# Altium PCB RK_NVR_DEMO1_RK3588_LP4XD200P232SD8_V21_20211228_final_lint.PcbDoc (part 18 of 29)
Units mm, origin at the board's own origin, x right, y up, seen from the top; angles counter-clockwise.
Board outline 170.08 x 169.98 mm, 8 copper layers (TOP, L2-GND1, L3-POWER1, L4-S1, L5-GND2, L6-S2, L7-GND3, BOTTOM), stack 2.118 mm thick; 1650 components, 1119 nets, 6165 pads, 15417 vias.
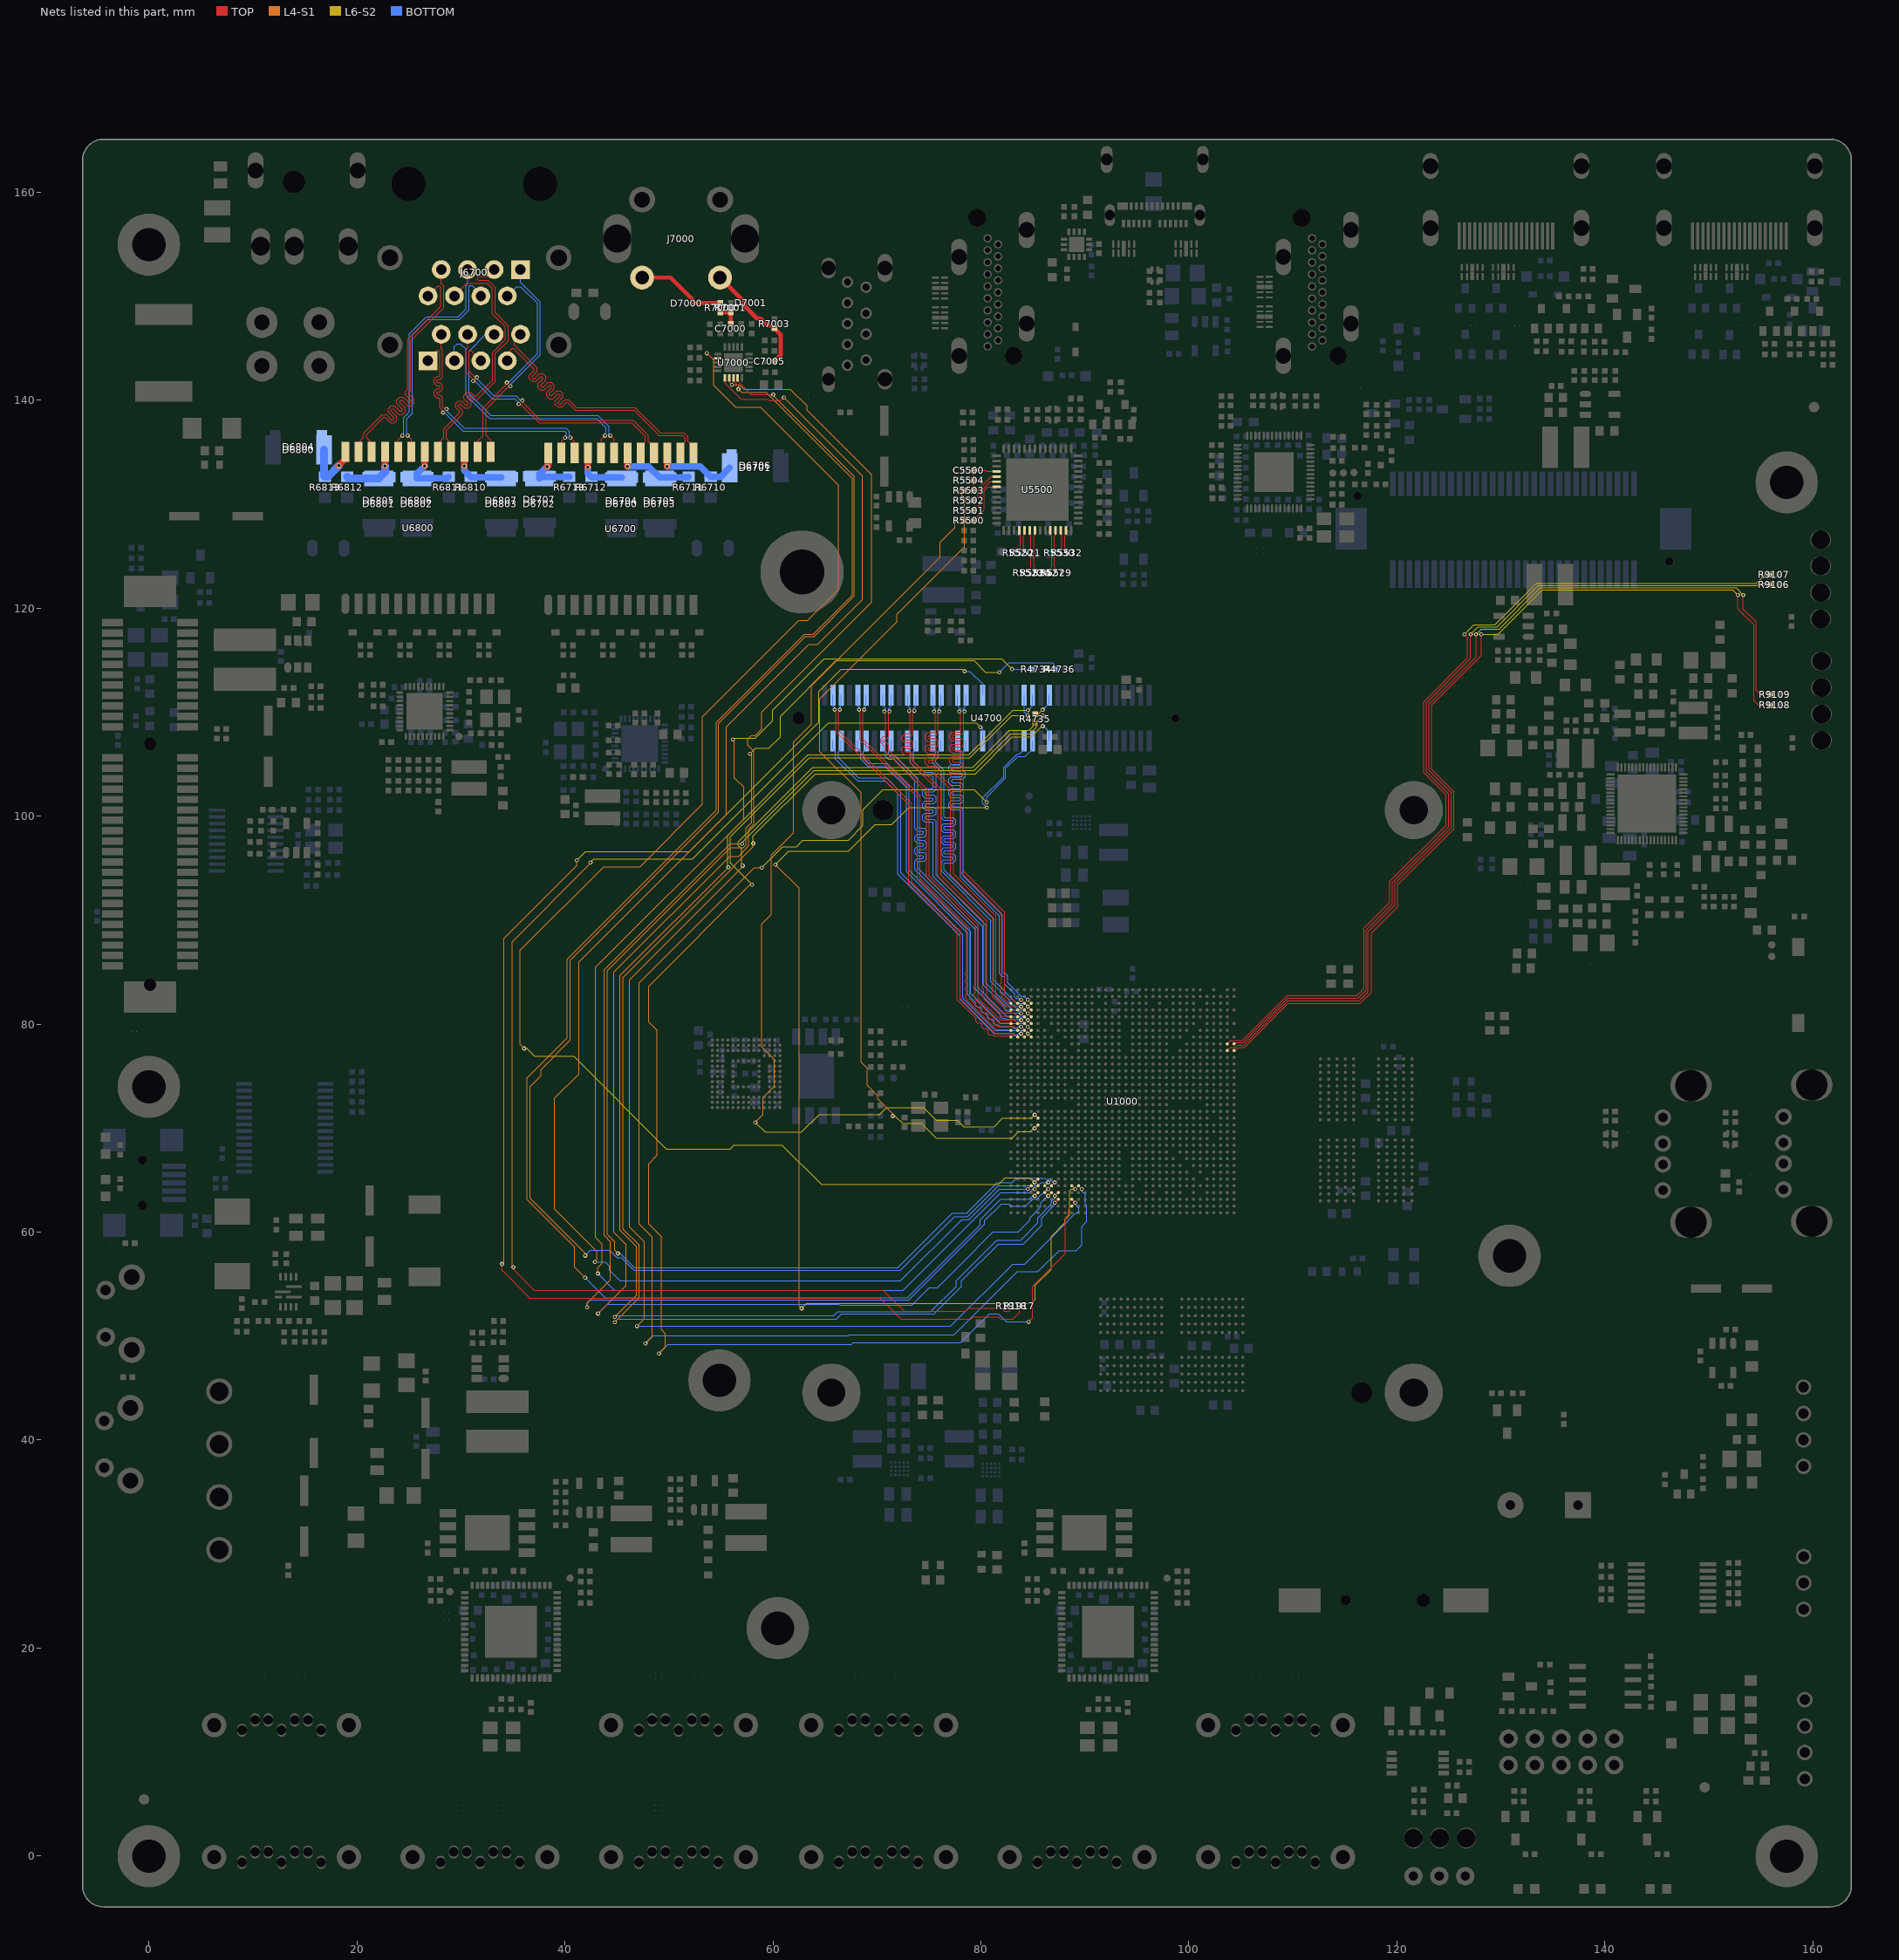
[diagram p24: the nets of this part, all layers, seen from the top]

## Via types
v1: diameter 0.4, hole 0.2, TOP to BOTTOM, 1688 vias
v2: diameter 0.4/0.4 (per signal layer), hole 0.2, TOP to L2-GND1, 1605 vias
v3: diameter 0/0/0/0/0/0/0/0.4 (per signal layer), hole 0.2, TOP to BOTTOM, 1253 vias
v4: diameter 0.4/0/0/0/0/0/0/0 (per signal layer), hole 0.2, TOP to BOTTOM, 1253 vias
v5: diameter 0.5, hole 0.3, TOP to BOTTOM, 857 vias
v6: diameter 0.4/0.4/0.4/0.4/0.4 (per signal layer), hole 0.2, L4-S1 to BOTTOM, 836 vias
v7: diameter 0/0/0/0/0/0/0/0.5 (per signal layer), hole 0.3, TOP to BOTTOM, 772 vias
v8: diameter 0.5/0/0/0/0/0/0/0 (per signal layer), hole 0.3, TOP to BOTTOM, 772 vias
v9: diameter 0.5/0.5 (per signal layer), hole 0.3, TOP to L2-GND1, 766 vias
v10: diameter 0.4/0.4 (per signal layer), hole 0.2, L7-GND3 to BOTTOM, 611 vias
v11: diameter 0.4/0.4/0.4/0.4 (per signal layer), hole 0.2, L5-GND2 to BOTTOM, 579 vias
v12: diameter 0.4 (per signal layer), hole 0.2, L6-S2 to L6-S2, 535 vias
v13: diameter 0.5/0.5/0.5/0.5/0.5 (per signal layer), hole 0.3, L4-S1 to BOTTOM, 457 vias
v14: diameter 0.5/0.5/0.5/0.5 (per signal layer), hole 0.3, L5-GND2 to BOTTOM, 455 vias
v15: diameter 0.4 (per signal layer), hole 0.2, L5-GND2 to L5-GND2, 418 vias
v16: diameter 0.5/0.5/0.5 (per signal layer), hole 0.3, TOP to L3-POWER1, 306 vias
v17: diameter 0.4 (per signal layer), hole 0.2, L4-S1 to L4-S1, 300 vias
v18: diameter 0.4/0.4/0.4 (per signal layer), hole 0.2, TOP to L3-POWER1, 287 vias
v19: diameter 0.5 (per signal layer), hole 0.3, L3-POWER1 to L3-POWER1, 242 vias
v20: diameter 0.5 (per signal layer), hole 0.3, L4-S1 to L4-S1, 240 vias
v21: diameter 0.5/0.5 (per signal layer), hole 0.3, L7-GND3 to BOTTOM, 192 vias
v22: diameter 0.5 (per signal layer), hole 0.3, L6-S2 to L6-S2, 166 vias
v23: diameter 0.4/0.4/0.4/0.4/0.4 (per signal layer), hole 0.2, TOP to L5-GND2, 134 vias
v24: diameter 0.5 (per signal layer), hole 0.3, L5-GND2 to L5-GND2, 114 vias
v25: diameter 0.5/0.5 (per signal layer), hole 0.3, L3-POWER1 to L4-S1, 111 vias
v26: diameter 0.4 (per signal layer), hole 0.2, L3-POWER1 to L3-POWER1, 93 vias
v27: diameter 0.4/0.4 (per signal layer), hole 0.2, L4-S1 to L5-GND2, 59 vias
v28: diameter 0.4/0.4/0/0/0.4/0/0.4/0.4 (per signal layer), hole 0.2, TOP to BOTTOM, 56 vias
v29: diameter 0.4/0/0/0.4/0/0/0/0.4 (per signal layer), hole 0.2, TOP to BOTTOM, 51 vias
v30: diameter 0.5/0.5 (per signal layer), hole 0.3, L4-S1 to L5-GND2, 46 vias
v31: diameter 0.4/0/0/0/0/0.4/0/0.4 (per signal layer), hole 0.2, TOP to BOTTOM, 42 vias
v32: diameter 0.5/0.5/0.5/0.5/0.5 (per signal layer), hole 0.3, TOP to L5-GND2, 32 vias
v33: diameter 0.4/0.4 (per signal layer), hole 0.2, L3-POWER1 to L4-S1, 29 vias
v34: diameter 0.4/0/0.4/0/0/0/0/0.4 (per signal layer), hole 0.2, TOP to BOTTOM, 29 vias
v35: diameter 0.4/0.4/0/0/0.4/0.4/0.4/0.4 (per signal layer), hole 0.2, TOP to BOTTOM, 21 vias
v36: diameter 0.5/0.5/0.5/0/0.5/0.5/0.5/0.5 (per signal layer), hole 0.3, TOP to BOTTOM, 4 vias
v37: diameter 0.5/0.5/0/0.5/0.5/0.5/0.5/0.5 (per signal layer), hole 0.3, TOP to BOTTOM, 3 vias
v38: diameter 0.4/0/0.4/0.4/0/0/0/0.4 (per signal layer), hole 0.2, TOP to BOTTOM, 2 vias
v39: diameter 0.4/0.4/0.4/0/0.4/0/0.4/0.4 (per signal layer), hole 0.2, TOP to BOTTOM, 1 vias

## Nets (pads, with @x,y where several pads share a name; then routed paths per layer and width w, separated by ;. In a path a pad name is that pad's centre, name@x,y a point inside that pad or via, vN(x,y) a via of type N, cw(c..) or ccw(c..) an arc to the next point about the centre after c; other vN are vias at no path point) (continued)
I2S0_LRCK_RX/PWM15_M2: R4735.2 U1000.D29 | length 137.1
  TOP w0.102: R4735.2@85.234,109.81 85.379,109.665 v4(85.945,109.665) ; U1000.D29@86.141,63.806 v4(86.465,64.13)
  L4-S1 w0.102: v4(42.155,52.769) 42.155,53.175 44.391,55.41 44.391,59.068 43.781,59.678 43.781,85.23 55.897,97.346 v4(57.04,97.346)
  L6-S2 w0.102: v4(57.04,97.346) 57.04,97.474 63.948,104.382 79.333,104.382 82.889,107.938 84.726,107.938 85.335,108.547 85.335,109.055 v4(85.945,109.665)
  BOTTOM w0.089: 82.09,62.726 82.694,62.726 82.913,62.506 84.303,62.506 84.952,63.155 85.359,63.155 86.334,64.13 v4(86.465,64.13)
  BOTTOM w0.102: v4(42.155,52.769) 42.155,53.175 42.46,53.48 73.042,53.48 80.357,60.795 80.357,61.1 81.983,62.726 82.09,62.726
  other v3: 42.155,52.769 86.465,64.13 57.04,97.346 85.945,109.665
  other v12: 57.04,97.346 85.945,109.665
  other v17: 42.155,52.769 57.04,97.346
I2S0_LRCK_TX: U1000.D30 U7000.8 | length 157.2
  TOP w0.102: U7000.8@56.202,142.124 56.202,141.834 56.684,141.351 v4(56.684,141.059) ; v4(85.166,63.481) U1000.D30@85.491,63.806
  L4-S1 w0.102: v4(41.952,55.614) 40.936,56.63 40.936,58.56 36.364,63.132 36.364,74.816 40.225,78.677 40.225,86.246 54.551,100.571 54.551,108.998 63.04,117.488 63.878,117.488 67.632,121.241 67.632,132.449 59.326,140.754 56.989,140.754 v4(56.684,141.059)
  BOTTOM w0.089: 82.09,63.155 84.649,63.155 84.975,63.481 v4(85.166,63.481)
  BOTTOM w0.102: v4(41.952,55.614) 43.883,53.683 72.94,53.683 79.951,60.694 79.951,61.202 81.904,63.155 82.09,63.155
  other v3: 41.952,55.614 85.166,63.481 56.684,141.059
  other v17: 41.952,55.614 56.684,141.059
I2S0_MCLK: U1000.F30 U7000.2 | length 145.8
  TOP w0.102: v4(53.636,144.514) 54.125,144.025 U7000.2@54.701,144.025 ; v4(85.166,64.781) U1000.F30@85.491,65.106
  L4-S1 w0.102: v4(36.085,77.661) 35.704,78.042 35.704,87.108 43.732,95.136 47.215,95.136 53.23,101.151 53.23,109.546 62.492,118.809 63.331,118.809 66.311,121.789 66.311,131.839 58.818,139.332 56.407,139.332 54.297,141.442 54.297,143.853 v4(53.636,144.514)
  L6-S2 w0.089: 82.09,64.992 82.313,65.215 84.732,65.215 v4(85.166,64.781)
  L6-S2 w0.102: v4(36.085,77.661) 36.339,77.661 37.087,76.913 40.832,76.913 49.736,68.009 55.897,68.009 56.252,68.364 60.875,68.364 64.66,64.58 81.678,64.58 82.09,64.992
  other v3: 85.166,64.781 36.085,77.661 53.636,144.514
  other v12: 85.166,64.781 36.085,77.661
  other v17: 36.085,77.661 53.636,144.514
I2S0_SCLK_RX/PWM11_M2: R4734.1 U1000.E30 | length 138.2
  TOP w0.102: v4(85.166,64.131) U1000.E30@85.491,64.456
  L4-S1 w0.102: v4(43.171,56.02) 43.171,56.604 43.578,57.011 43.578,58.865 42.968,59.474 42.968,85.484 57.192,99.708 57.192,102.781 56.278,103.696 56.278,107.252 v4(56.151,107.379)
  L6-S2 w0.102: v4(56.151,107.379) 56.278,107.506 58.284,107.506 59.961,109.182 59.961,110.173 64.939,115.151 81.983,115.151 v4(82.999,114.135)
  BOTTOM w0.089: 82.09,63.806 84.689,63.806 85.013,64.131 v4(85.166,64.131)
  BOTTOM w0.102: v4(43.171,56.02) 44.772,54.42 72.534,54.42 81.921,63.806 82.09,63.806 ; v4(82.999,114.135) R4734.1@84.885,114.135
  other v3: 43.171,56.02 85.166,64.131 56.151,107.379 82.999,114.135
  other v12: 56.151,107.379 82.999,114.135
  other v17: 43.171,56.02 56.151,107.379
I2S0_SCLK_TX: U1000.E31 U7000.6 | length 154.4
  TOP w0.102: U7000.6@55.401,142.124 55.401,141.637 56.941,140.097 59.475,140.097 59.631,139.942 60.748,139.942 v4(61.053,140.246) ; v4(84.516,64.131) U1000.E31@84.841,64.456
  L4-S1 w0.102: v4(42.892,57.138) 42.892,57.163 43.07,57.341 43.07,58.154 39.006,62.217 39.006,69.532 39.006,72.886 41.343,75.222 41.343,85.967 55.516,100.14 55.516,108.598 63.441,116.523 64.279,116.523 68.597,120.841 68.597,132.703 v4(61.053,140.246)
  BOTTOM w0.089: 82.09,64.131 v4(84.516,64.131)
  BOTTOM w0.102: v4(42.892,57.138) 43.883,57.138 44.289,56.731 44.289,56.325 45.305,55.309 72.28,55.309 78.173,61.202 78.833,61.202 81.763,64.131 82.09,64.131
  other v3: 42.892,57.138 84.516,64.131 61.053,140.246
  other v17: 42.892,57.138 61.053,140.246
I2S0_SDI0: U1000.D28 U7000.7 | length 160.6
  TOP w0.102: U7000.7@55.802,142.124 55.802,141.735 v4(56.071,141.466) ; v4(86.466,63.48) U1000.D28@86.791,63.806
  L4-S1 w0.102: v4(43.184,52.172) 45.864,54.852 45.864,58.814 44.695,59.982 44.695,85.001 55.846,96.152 56.684,96.152 57.675,97.143 57.675,98.743 58.183,99.251 58.183,106.236 57.599,106.82 57.599,107.43 57.929,107.76 58.31,107.76 58.945,108.395 58.945,110.029 69.486,120.57 69.486,132.83 63.288,139.027 63.288,139.434 61.663,141.059 57.192,141.059 56.786,141.466 56.481,141.466 v4(56.071,141.466)
  BOTTOM w0.089: 84.745,61.424 85.761,62.44 85.761,62.854 86.387,63.48 v4(86.466,63.48)
  BOTTOM w0.102: v4(43.184,52.172) 44.086,53.074 66.311,53.074 66.412,52.972 73.347,52.972 75.048,54.674 75.836,54.674 77.993,56.831 77.997,56.831 81.173,60.008 83.583,60.008 84.726,61.151 84.726,61.405 84.745,61.424
  other v3: 43.184,52.172 86.466,63.48 56.071,141.466
  other v17: 43.184,52.172 56.071,141.466
I2S0_SDI1/PWM1_M1: R4736.1 U1000.E28 | length 137.3
  TOP w0.102: U1000.E28@86.791,64.456 v4(87.116,64.78)
  L4-S1 w0.102: v4(45.102,57.95) 44.797,58.255 44.797,59.068 44.086,59.779 44.086,85.154 55.897,96.965 57.167,96.965 57.421,97.219 57.421,98.875 57.954,99.408 57.954,105.829 v4(57.802,105.982)
  L6-S2 w0.102: v4(57.802,105.982) 58.335,106.515 59.605,106.515 60.723,107.633 60.723,109.614 66.057,114.948 79.341,114.948 80.459,113.83 v4(81.779,113.83)
  BOTTOM w0.089: 82.09,64.758 82.999,64.758 83.405,65.164 86.174,65.164 86.232,65.105 86.6,65.105 86.924,64.78 v4(87.116,64.78)
  BOTTOM w0.102: v4(45.102,57.95) 45.305,57.95 46.677,56.579 72.026,56.579 77.258,61.811 78.63,61.811 81.576,64.758 82.09,64.758 ; v4(81.779,113.83) 82.694,114.745 86.859,114.745 87.12,114.484 R4736.1@87.12,114.135
  other v3: 45.102,57.95 87.116,64.78 57.802,105.982 81.779,113.83
  other v12: 57.802,105.982 81.779,113.83
  other v17: 45.102,57.95 57.802,105.982
I2S0_SDO0: U1000.E29 U7000.9 | length 155.4
  TOP w0.102: U7000.9@56.602,142.124 56.602,141.834 57.884,140.551 v4(60.037,140.551) ; U1000.E29@86.141,64.456 v4(86.465,64.78)
  L4-S1 w0.102: v4(41.952,57.747) 41.952,57.95 36.669,63.234 36.669,74.003 37.685,75.019 37.685,75.629 40.53,78.474 40.53,86.169 54.754,100.393 54.754,108.914 63.125,117.285 63.963,117.285 67.835,121.157 67.835,132.651 60.139,140.348 60.139,140.45 v4(60.037,140.551)
  BOTTOM w0.089: 82.09,64.453 84.379,64.453 84.381,64.456 84.65,64.456 84.653,64.453 85.029,64.453 85.031,64.456 85.3,64.456 85.303,64.453 85.467,64.453 85.795,64.78 v4(86.465,64.78)
  BOTTOM w0.102: v4(41.952,57.747) 42.46,58.255 44.289,58.255 45,57.544 45.407,57.544 46.626,56.325 72.28,56.325 77.461,61.506 78.731,61.506 81.678,64.453 82.09,64.453
  other v3: 41.952,57.747 86.465,64.78 60.037,140.551
  other v17: 41.952,57.747 60.037,140.551
IT6161_INT: R5500.1 U5500.49 | length 4.7
  TOP w0.102: R5500.1@79.283,128.422 80.309,129.449 80.309,131.304 80.663,131.657 U5500.49@81.512,131.657
IT6161_INT_GPIO0_C4: R5500.2 U1000.R30 | length 97.6
  TOP w0.102: v4(77.512,128.422) R5500.2@78.383,128.422 ; v4(85.166,71.281) U1000.R30@85.491,70.956
  L4-S1 w0.102: v4(58.31,70.549) 59.072,71.311 59.072,72.962 60.139,74.029 60.139,76.569 58.919,77.788 58.919,89.65 59.834,90.564 59.834,96.254 61.967,98.387 61.967,107.125 63.695,108.852 63.695,112.51 76.072,124.887 76.072,126.31 77.512,127.75 v4(77.512,128.422)
  L6-S2 w0.089: 82.09,70.956 84.841,70.956 v4(85.166,71.281)
  L6-S2 w0.102: v4(58.31,70.549) 59.25,69.609 62.755,69.609 64.457,71.311 70.248,71.311 70.908,71.971 74.464,71.971 75.683,70.752 77.715,70.752 78.325,70.142 81.271,70.142 82.085,70.956 82.09,70.956
  other v3: 58.31,70.549 85.166,71.281 77.512,128.422
  other v12: 58.31,70.549 85.166,71.281
  other v17: 58.31,70.549 77.512,128.422
IT6161_PCSCL: R5502.1 U5500.47 | length 3.5
  TOP w0.102: R5502.1@79.283,130.353 79.747,130.817 79.747,131.407 80.997,132.657 U5500.47@81.512,132.657
IT6161_PCSDA: R5501.1 U5500.48 | length 4.1
  TOP w0.102: R5501.1@79.283,129.388 80.052,130.157 80.052,131.334 80.875,132.157 U5500.48@81.512,132.157
IT6161_SYSRSTN_GPIO0_C5: R5503.2 U1000.P30 | length 85.2
  TOP w0.102: v4(77.715,131.318) R5503.2@78.383,131.318 ; v4(85.166,69.981) U1000.P30@85.491,70.306
  L4-S1 w0.102: v4(71.518,71.158) 71.518,71.387 70.095,72.809 70.095,73.089 69.079,74.105 69.079,75.73 68.47,76.34 68.47,102.248 64.507,106.21 64.507,111.29 71.924,118.707 71.924,119.418 78.427,125.921 78.427,130.607 v4(77.715,131.318)
  L6-S2 w0.089: 82.09,69.025 82.999,69.025 83.63,69.656 84.748,69.656 85.073,69.981 v4(85.166,69.981)
  L6-S2 w0.102: v4(71.518,71.158) 71.746,71.158 72.458,70.447 74.261,70.447 75.683,69.025 82.09,69.025
  other v3: 85.166,69.981 71.518,71.158 77.715,131.318
  other v12: 85.166,69.981 71.518,71.158
  other v17: 71.518,71.158 77.715,131.318
IT6161SYSRSTN: C5500.1 R5503.1 R5504.1 U5500.46 | length 4.2
  TOP w0.102: R5503.1@79.283,131.318 R5504.1@79.283,132.283 C5500.1@79.283,133.267 80.427,133.267 80.537,133.157 U5500.46@81.512,133.157
JTAG_TCK_M0: R9107.1 U1000.AF2 | length 87.2
  TOP w0.102: U1000.AF2@103.691,78.106 104.002,78.417 105.131,78.417 109.455,82.741 116.16,82.741 116.831,83.413 116.831,89.243 119.321,91.732 119.321,93.725 124.705,99.11 124.705,102.033 122.572,104.167 122.572,110.997 126.788,115.213 126.788,117.183 v4(126.483,117.488) ; v4(155.236,123.059) 155.415,123.237 R9107.1@155.833,123.237
  L6-S2 w0.102: v4(126.483,117.488) 127.398,118.402 129.43,118.402 133.392,122.365 154.542,122.365 v4(155.236,123.059)
  other v3: 126.483,117.488 155.236,123.059
  other v12: 126.483,117.488 155.236,123.059
JTAG_TMS_M0: R9106.1 U1000.AF1 | length 85.7
  TOP w0.102: U1000.AF1@104.341,78.106 104.448,78.213 105.215,78.213 109.489,82.487 116.265,82.487 117.035,83.256 117.035,89.04 119.575,91.58 119.575,93.62 124.959,99.004 124.959,102.139 122.826,104.272 122.826,110.892 127.093,115.159 v4(127.093,117.488) ; v4(155.236,122.263) 155.246,122.253 R9106.1@155.833,122.253
  L6-S2 w0.102: v4(127.093,117.488) 127.804,118.199 129.633,118.199 133.595,122.162 154.627,122.162 154.728,122.263 v4(155.236,122.263)
  other v3: 127.093,117.488 155.236,122.263
  other v12: 127.093,117.488 155.236,122.263
L0DN: R5530.2 U5500.12 | length 2
  TOP w0.076: R5530.2@87.581,125.561 87.696,125.676 ccw(c87.451,125.921) 87.797,125.921 87.797,126.931 87.687,127.041 U5500.12@87.687,127.482
L0DP: R5532.2 U5500.13 | length 2
  TOP w0.076: U5500.13@88.187,127.482 88.187,127.041 88.077,126.931 88.077,125.921 ccw(c88.423,125.921) 88.178,125.676 R5532.2@88.293,125.561
L1DN: R5527.2 U5500.10 | length 4
  TOP w0.076: R5527.2@86.581,123.631 86.624,123.673 ccw(c86.205,124.092) 86.797,124.092 86.797,126.931 86.687,127.041 U5500.10@86.687,127.482
L1DP: R5529.2 U5500.11 | length 4
  TOP w0.076: U5500.11@87.187,127.482 87.187,127.041 87.077,126.931 87.077,124.092 ccw(c87.669,124.092) 87.25,123.673 R5529.2@87.293,123.631
L2DN: R5523.2 U5500.6 | length 4
  TOP w0.076: R5523.2@84.581,123.631 84.624,123.673 ccw(c84.205,124.092) 84.797,124.092 84.797,126.931 84.687,127.041 U5500.6@84.687,127.482
L2DP: R5524.2 U5500.7 | length 4
  TOP w0.076: U5500.7@85.187,127.482 85.187,127.041 85.077,126.931 85.077,124.092 ccw(c85.669,124.092) 85.25,123.673 R5524.2@85.293,123.631
L3DN: R5520.2 U5500.4 | length 2
  TOP w0.076: R5520.2@83.581,125.561 83.624,125.604 ccw(c83.205,126.022) 83.797,126.022 83.797,126.931 83.687,127.041 U5500.4@83.687,127.482
L3DP: R5521.2 U5500.5 | length 2
  TOP w0.076: U5500.5@84.187,127.482 84.187,127.041 84.077,126.931 84.077,126.022 ccw(c84.669,126.022) 84.25,125.604 R5521.2@84.293,125.561
LAN0_A+: J6700.A1 U6700.23 | length 23.9
  TOP w0.076: J6700.A1@26.839,143.788 26.839,143.929 27.7,144.79 27.87,144.79 27.957,144.703 27.957,142.328 27.881,142.251 27.663,142.251 27.423,142.012 27.423,141.628 27.663,141.388 27.881,141.388 27.957,141.312 27.957,141.159 27.881,141.083 27.663,141.083 27.423,140.843 27.423,140.459 27.663,140.219 27.881,140.219 27.957,140.143 27.957,139.266 28.265,138.959 v4(28.265,138.802) ; U6700.23@39.665,134.922 39.665,136.029 v4(40.022,136.386)
  BOTTOM w0.076: v4(28.265,138.802) 28.422,138.802 30.203,137.021 39.974,137.021 40.136,136.858 40.136,136.5 v4(40.022,136.386)
  other v3: 40.022,136.386 28.265,138.802
LAN0_A-: J6700.A2 U6700.22 | length 23.9
  TOP w0.076: J6700.A2@28.109,146.328 28.109,144.945 28.236,144.818 28.236,142.212 27.996,141.972 27.779,141.972 27.703,141.896 27.703,141.743 27.779,141.667 27.996,141.667 28.236,141.427 28.236,141.043 27.996,140.804 27.779,140.804 27.703,140.727 27.703,140.575 27.779,140.499 27.996,140.499 28.236,140.259 28.236,139.382 28.462,139.156 v4(28.619,139.156) ; v4(40.53,136.386) 40.935,135.98 U6700.22@40.935,134.922
  BOTTOM w0.076: v4(28.619,139.156) 28.619,138.999 30.318,137.3 40.09,137.3 40.415,136.974 40.415,136.5 v4(40.53,136.386)
  other v3: 40.53,136.386 28.619,139.156
LAN0_B+: J6700.A3 U6700.20 | length 24.6
  TOP w0.076: U6700.20@43.475,134.922 43.475,136.204 v4(43.859,136.589)
  BOTTOM w0.076: J6700.A3@29.379,143.788 29.379,145.149 29.659,145.428 29.963,145.428 30.497,144.895 30.497,140.512 32.769,138.24 43.056,138.24 43.97,137.325 43.97,136.7 v4(43.859,136.589)
  other v3: 43.859,136.589
LAN0_B-: J6700.A6 U6700.19 | length 24.7
  TOP w0.076: v4(44.361,136.589) 44.745,136.205 U6700.19@44.745,134.922
  BOTTOM w0.076: J6700.A6@33.189,146.328 32.387,146.328 30.776,144.717 30.776,140.627 32.884,138.519 43.171,138.519 44.25,137.441 44.25,136.7 v4(44.361,136.589)
  other v3: 44.361,136.589
LAN0_C+: J6700.A4 U6700.17 | length 25.5
  TOP w0.076: J6700.A4@30.649,146.328 30.649,144.975 30.497,144.822 30.497,142.671 31.173,141.994 v4(31.173,141.837) ; v4(35.554,139.614) 35.711,139.614 37.518,137.808 46.434,137.808 47.743,136.498 47.743,135.979 47.295,135.531 U6700.17@47.295,134.922
  BOTTOM w0.076: v4(31.173,141.837) 31.33,141.837 33.048,140.119 35.206,140.119 35.554,139.771 v4(35.554,139.614)
  other v3: 35.554,139.614 31.173,141.837
LAN0_C-: J6700.A5 U6700.16 | length 25.4
  TOP w0.076: v4(31.528,142.192) 31.371,142.192 30.776,142.786 30.776,144.706 30.852,144.783 30.96,144.783 31.919,143.824 J6700.A5@31.919,143.788 ; v4(35.909,139.969) 35.909,139.812 37.634,138.087 46.55,138.087 48.023,136.614 48.023,136.005 48.565,135.462 U6700.16@48.565,134.922
  BOTTOM w0.076: v4(31.528,142.192) 31.528,142.035 33.164,140.399 35.322,140.399 35.752,139.969 v4(35.909,139.969)
  other v3: 35.909,139.969 31.528,142.192
LAN0_D+: J6700.A7 U6700.14 | length 29.6
  TOP w0.076: J6700.A7@34.459,143.788 34.459,144.539 34.919,144.999 35.027,144.999 37.049,142.978 37.049,142.87 36.58,142.402 36.58,142.062 36.852,141.791 37.191,141.791 37.66,142.259 37.767,142.259 37.876,142.15 37.876,142.043 37.408,141.574 37.408,141.235 37.679,140.963 38.018,140.963 38.487,141.432 38.595,141.432 38.703,141.323 38.703,141.215 38.235,140.747 38.235,140.408 38.506,140.136 38.846,140.136 39.314,140.604 39.422,140.604 39.531,140.496 39.531,140.388 39.062,139.92 39.062,139.58 39.334,139.309 39.673,139.309 40.141,139.777 40.249,139.777 40.999,139.027 46.626,139.027 49.064,136.589 51.299,136.589 51.579,136.309 51.579,136.055 51.105,135.582 U6700.14@51.105,134.922
LAN0_D-: J6700.A8 U6700.13 | length 29.7
  TOP w0.076: J6700.A8@35.729,146.328 35.145,145.744 35.145,145.277 37.328,143.093 37.328,142.754 36.86,142.286 36.86,142.178 36.968,142.07 37.075,142.07 37.544,142.538 37.883,142.538 38.155,142.266 38.155,141.927 37.687,141.458 37.687,141.351 37.795,141.243 37.903,141.243 38.371,141.711 38.71,141.711 38.983,141.439 38.983,141.1 38.514,140.631 38.514,140.523 38.622,140.416 38.73,140.416 39.198,140.884 39.538,140.884 39.81,140.612 39.81,140.272 39.342,139.804 39.342,139.696 39.45,139.588 39.557,139.588 40.026,140.057 40.365,140.057 41.115,139.307 46.742,139.307 49.18,136.868 51.415,136.868 51.858,136.425 51.858,136.03 52.37,135.518 U6700.13@52.37,134.922
LAN0_MCT1: D6702.1 D6707.1 R6713.1 U6700.24 | length 5.5
  TOP w0.635: v8(38.307,133.605) 38.395,133.693 U6700.24@38.395,134.922
  BOTTOM w0.635: D6702.1@37.558,132.486 37.7,132.628 R6713.1@40.414,132.628 ; D6707.1@37.558,132.692 37.558,132.856 v8(38.307,133.605)
  other v7: 38.307,133.605
LAN0_MCT2: D6700.1 D6704.1 R6712.1 U6700.21 | length 5.4
  TOP w0.635: v8(42.205,133.541) U6700.21@42.205,134.922
  BOTTOM w0.635: v8(42.205,133.541) 42.205,132.97 R6712.1@42.547,132.628 42.61,132.565 D6704.1@45.457,132.565
  other v7: 42.205,133.541
LAN0_MCT3: D6703.1 D6705.1 R6711.1 U6700.18 | length 7.6
  TOP w0.635: v8(46.025,133.642) U6700.18@46.025,134.922
  BOTTOM w0.635: v8(46.025,133.642) 48.037,133.642 D6705.1@49.115,132.565 51.831,132.565 R6711.1@51.894,132.628
  other v7: 46.025,133.642
LAN0_MCT4: D6701.1 D6706.1 R6710.1 U6700.15 | length 8.1
  TOP w0.635: v8(49.835,133.642) U6700.15@49.835,134.922
  BOTTOM w0.635: v8(49.835,133.642) 53.014,133.642 R6710.1@54.028,132.628 54.972,132.628 D6701.1@55.834,133.49
  other v7: 49.835,133.642